# KiCad board migrane.kicad_pcb (continued)
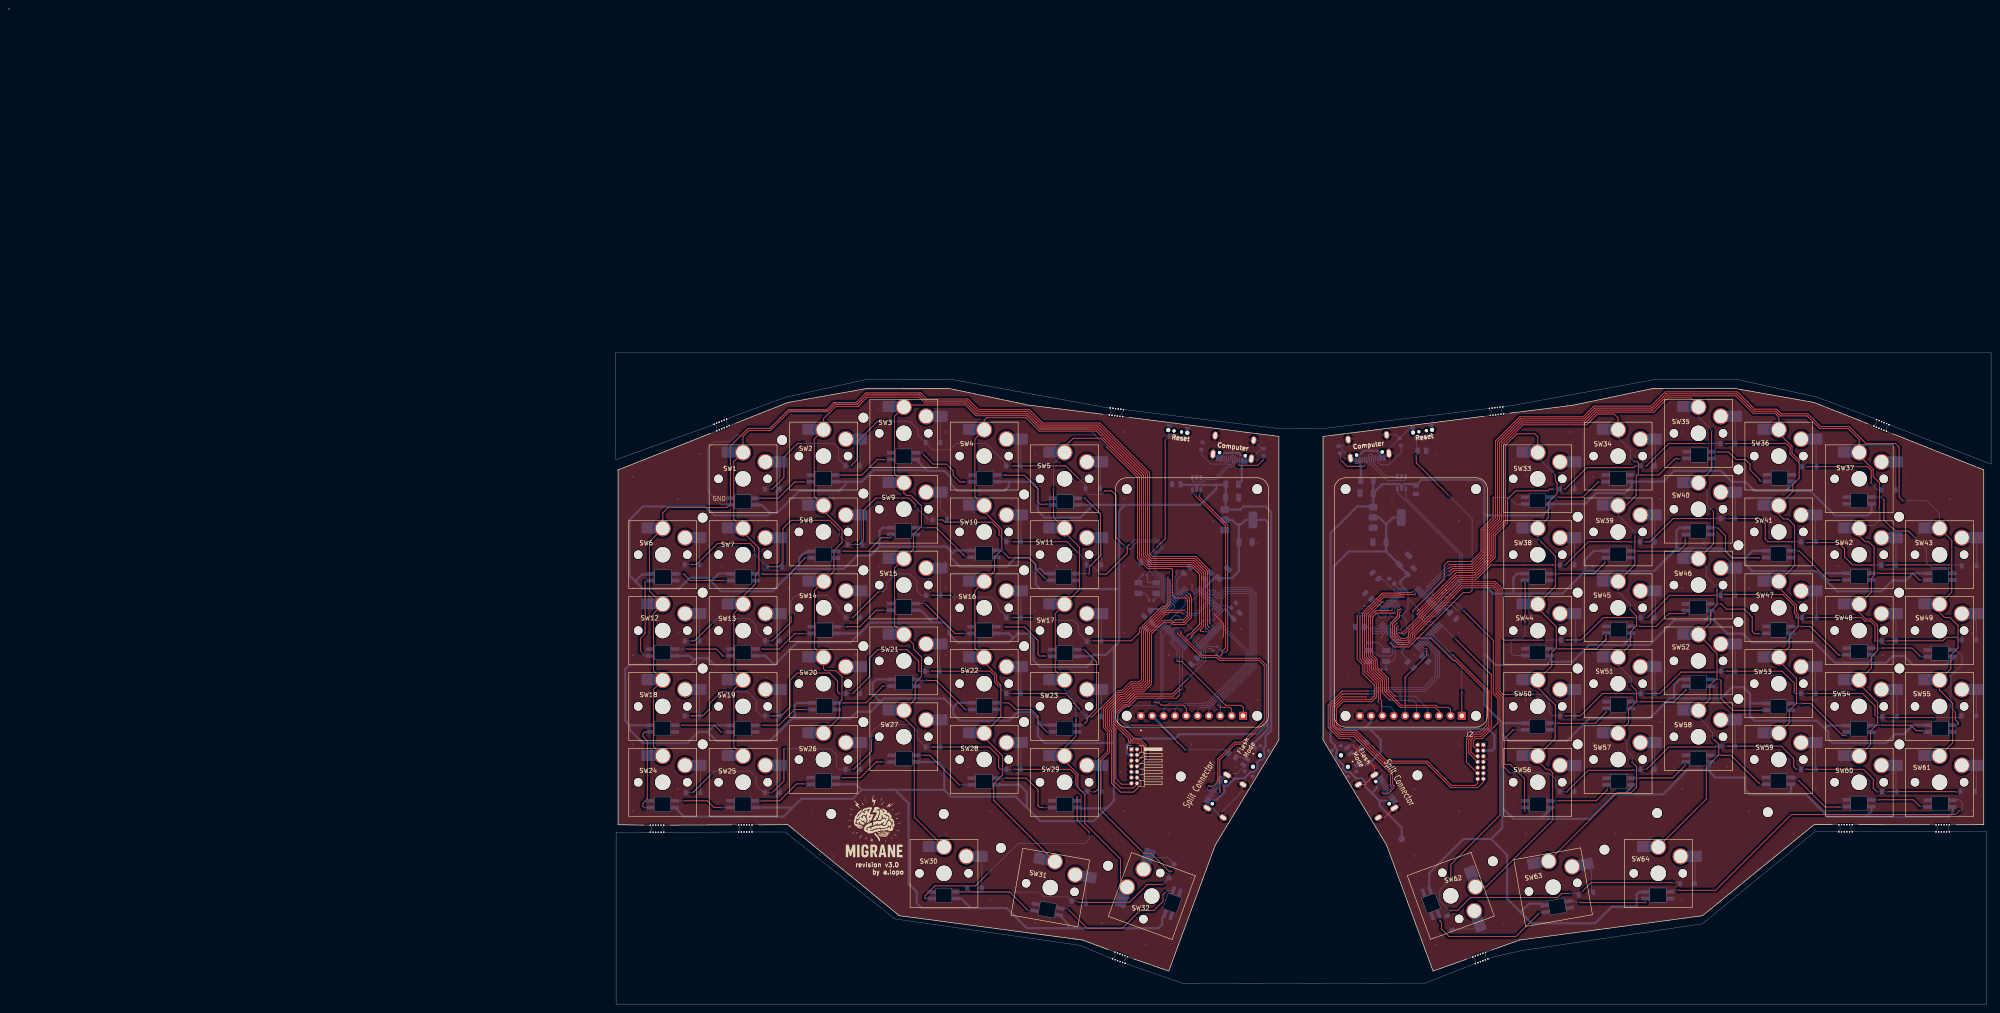
[diagram p0: board, top side]
## Library data of the parts
C1 C2 C15 C16 = -: Description: Unpolarized capacitor; LCSC: C13585; LCSC Part: C13585; ki_fp_filters: C_*
C3 C12 C17 = -: Description: Unpolarized capacitor; LCSC: C48579599; LCSC Part: C48579599; ki_fp_filters: C_*
C4-C8 C14 C19-C24 C28 = -: LCSC: C48579599; LCSC Part: C48579599; ki_fp_filters: C_*
C9 C18 = -: LCSC: C13585; LCSC Part: C13585; ki_fp_filters: C_*
C10 C11 C25 C26 = -: LCSC: C441742; LCSC Part: C441742; ki_fp_filters: C_*
C13 C27 = -: Description: Unpolarized capacitor; LCSC: C1705; LCSC Part: C1705; ki_fp_filters: C_*
D1-D27 D29 D30 D32-D64 = -: Sim.Device: D; Sim.Pins: 1=K 2=A; LCSC: C917030; LCSC Part: C917030; ki_fp_filters: TO-???* *_Diode_* *SingleDiode* D_*
D28 D31 = -: Sim.Device: D; Sim.Pins: 1=K 2=A; LCSC: C917030; LCSC Part: C917030; Stock: 158412; Price: 0.028USD; Process: SMT; Minimum Qty: 15; Attrition Qty: 4; Class: Preferred Component; Category: Circuit Protection,ESD And Surge Protection (TVS/ESD); Manufacturer: hongjiacheng; Part: SMF5.0A; ki_fp_filters: TO-???* *_Diode_* *SingleDiode* D_*
D65 D68 = -: Datasheet: https://wmsc.lcsc.com/wmsc/upload/file/pdf/v2/lcsc/2312041000_hongjiacheng-SMF5-0A_C19077497.pdf; Description: 27.4A 7.3V 200W 6.4V Unidirectional 5V SOD-123FL ESD and Surge Protection (TVS/ESD) ROHS; LCSC: C19077497; Stock: 158412; Price: 0.028USD; Process: SMT; Minimum Qty: 15; Attrition Qty: 4; Class: Preferred Component; Category: Circuit Protection,ESD And Surge Protection (TVS/ESD); Manufacturer: hongjiacheng; LCSC Part: C19077497; ki_fp_filters: D_*
J1 J2 = -: Datasheet: https://www.st.com/content/ccc/resource/technical/document/user_manual/group1/99/49/91/b6/b2/3a/46/e5/DM00526767/files/DM00526767.pdf/jcr:content/translations/en.DM00526767.pdf; Description: ST Debug Connector, standard ARM Cortex-M SWD and JTAG interface plus UART; ki_fp_filters: PinHeader?2x07?P1.27mm*
LED1-LED5 LED7 LED8 LED13-LED32 = -: Datasheet: 4960; ki_fp_filters: 4960_ADA
LED6 LED9-LED12 LED33-LED64 = -: ki_fp_filters: 4960_ADA
R1 R2 R8 R9 = -: LCSC: C2907114; LCSC Part: C2907114; ki_fp_filters: R_*
R3 = -: Description: Resistor; LCSC: C84376; LCSC Part: C84376; ki_fp_filters: R_*
R5 R12 = -: LCSC: C84376; LCSC Part: C84376; ki_fp_filters: R_*
R6 R7 R13 R14 = -: Description: Resistor; LCSC: C2906914; ki_fp_filters: R_*
SW1-SW64 = -: LCSC: C917030; LCSC Part: C917030
SW65 SW66 = -: LCSC Part: C2890358; LCSC: C2890358
U1 U6 = -: ki_fp_filters: SOT*223*
U2 U7 = -: LCSC Part: C5261088; LCSC: C5261088
U3 U8 = -: PARTREV: 2021-12-09; MANUFACTURER: Adafruit Industries; STANDARD: Manufacturer Recommendations
U4 U9 = -: Datasheet: https://www.st.com/resource/en/datasheet/stm32f446rc.pdf; Description: STMicroelectronics Arm Cortex-M4 MCU, 256KB flash, 128KB RAM, 180 MHz, 1.8-3.6V, 50 GPIO, LQFP64; LCSC: C915971; LCSC Part: C915971; ki_fp_filters: LQFP*10x10mm*P0.5mm*
U5 U10 = -: LCSC Part: C17179533
USBC1-USBC4 = -: Datasheet: https://lcsc.com/product-detail/USB-Type-C_Korean-Hroparts-Elec-TYPE-C-31-M-12_C165948.html; LCSC Part: C165948; LCSC: C165948
Y1 Y2 = -: LCSC: C1985378; LCSC Part: C1985378; ki_fp_filters: Crystal*

## Footprints (pads in the part's own frame, mm; a bottom-side part is the same pattern mirrored in y, then rotated)
C_0402_1005Metric
  rrect 0.56x0.62 smd: 1(-0.48,0) 2(0.48,0)
C_0603_1608Metric
  rrect 0.9x0.95 smd: 1(-0.775,0) 2(0.775,0)
C_0805_2012Metric
  rrect 1x1.45 smd: 1(-0.95,0) 2(0.95,0)
C_1206_3216Metric
  rrect 1.15x1.8 smd: 1(-1.475,0) 2(1.475,0)
Crystal_SMD_Abracon_ABM3B-4Pin_5.0x3.2mm
  rrect 1.8x1.2 smd: 1(-2,-1.2) 2(2,-1.2) 3(2,1.2) 4(-2,1.2)
D_SOD-123
  rrect 0.9x1.2 smd: 1(-1.65,0) 2(1.65,0)
D_SOD-123#2
  rrect 0.9x1.2 smd: 1(-1.65,0) 2(1.65,0)
D_SOD-123FL
  rrect 1.1x1.6 smd: 1(-1.4,0) 2(1.4,0)
LED-SMD_L3.2-W2.8-LS5.9_SK6812MINI-E
  rect 1.8x0.82 smd: 1(2.8,0.75) 2(2.8,-0.75) 3(-2.8,-0.75) 4(-2.8,0.75)
LED-SMD_L3.2-W2.8-LS5.9_SK6812MINI-E#2
  rect 1.8x0.82 smd: 1(2.8,0.75) 2(2.8,-0.75) 3(-2.8,-0.75) 4(-2.8,0.75)
LQFP-64_10x10mm_P0.5mm
  rrect 1.55x0.3 smd: 1(-5.675,3.75) 2(-5.675,3.25) 3(-5.675,2.75) 4(-5.675,2.25) 5(-5.675,1.75) 6(-5.675,1.25) 7(-5.675,0.75) 8(-5.675,0.25) 9(-5.675,-0.25) 10(-5.675,-0.75) 11(-5.675,-1.25) 12(-5.675,-1.75) 13(-5.675,-2.25) 14(-5.675,-2.75) 15(-5.675,-3.25) 16(-5.675,-3.75) 33(5.675,-3.75) 34(5.675,-3.25) 35(5.675,-2.75) 36(5.675,-2.25) 37(5.675,-1.75) 38(5.675,-1.25) 39(5.675,-0.75) 40(5.675,-0.25) 41(5.675,0.25) 42(5.675,0.75) 43(5.675,1.25) 44(5.675,1.75) 45(5.675,2.25) 46(5.675,2.75) 47(5.675,3.25) 48(5.675,3.75)
  rrect 0.3x1.55 smd: 17(-3.75,-5.675) 18(-3.25,-5.675) 19(-2.75,-5.675) 20(-2.25,-5.675) 21(-1.75,-5.675) 22(-1.25,-5.675) 23(-0.75,-5.675) 24(-0.25,-5.675) 25(0.25,-5.675) 26(0.75,-5.675) 27(1.25,-5.675) 28(1.75,-5.675) 29(2.25,-5.675) 30(2.75,-5.675) 31(3.25,-5.675) 32(3.75,-5.675) 49(3.75,5.675) 50(3.25,5.675) 51(2.75,5.675) 52(2.25,5.675) 53(1.75,5.675) 54(1.25,5.675) 55(0.75,5.675) 56(0.25,5.675) 57(-0.25,5.675) 58(-0.75,5.675) 59(-1.25,5.675) 60(-1.75,5.675) 61(-2.25,5.675) 62(-2.75,5.675) 63(-3.25,5.675) 64(-3.75,5.675)
LQFP-64_10x10mm_P0.5mm#2
  rrect 1.55x0.3 smd: 1(-5.675,3.75) 2(-5.675,3.25) 3(-5.675,2.75) 4(-5.675,2.25) 5(-5.675,1.75) 6(-5.675,1.25) 7(-5.675,0.75) 8(-5.675,0.25) 9(-5.675,-0.25) 10(-5.675,-0.75) 11(-5.675,-1.25) 12(-5.675,-1.75) 13(-5.675,-2.25) 14(-5.675,-2.75) 15(-5.675,-3.25) 16(-5.675,-3.75) 33(5.675,-3.75) 34(5.675,-3.25) 35(5.675,-2.75) 36(5.675,-2.25) 37(5.675,-1.75) 38(5.675,-1.25) 39(5.675,-0.75) 40(5.675,-0.25) 41(5.675,0.25) 42(5.675,0.75) 43(5.675,1.25) 44(5.675,1.75) 45(5.675,2.25) 46(5.675,2.75) 47(5.675,3.25) 48(5.675,3.75)
  rrect 0.3x1.55 smd: 17(-3.75,-5.675) 18(-3.25,-5.675) 19(-2.75,-5.675) 20(-2.25,-5.675) 21(-1.75,-5.675) 22(-1.25,-5.675) 23(-0.75,-5.675) 24(-0.25,-5.675) 25(0.25,-5.675) 26(0.75,-5.675) 27(1.25,-5.675) 28(1.75,-5.675) 29(2.25,-5.675) 30(2.75,-5.675) 31(3.25,-5.675) 32(3.75,-5.675) 49(3.75,5.675) 50(3.25,5.675) 51(2.75,5.675) 52(2.25,5.675) 53(1.75,5.675) 54(1.25,5.675) 55(0.75,5.675) 56(0.25,5.675) 57(-0.25,5.675) 58(-0.75,5.675) 59(-1.25,5.675) 60(-1.75,5.675) 61(-2.25,5.675) 62(-2.75,5.675) 63(-3.25,5.675) 64(-3.75,5.675)
MODULE_358
  round 2.2 hole 2.2 unplated: (-25.4,-14.605) (-25.4,14.605) (25.4,-14.605) (25.4,14.605)
  rect 1.778x1.778 hole 1.016: 1(-25.4,11.43)
  round 1.778 hole 1.016: 2(-25.4,8.89) 3(-25.4,6.35) 4(-25.4,3.81) 5(-25.4,1.27) 6(-25.4,-1.27) 7(-25.4,-3.81) 8(-25.4,-6.35) 9(-25.4,-8.89) 10(-25.4,-11.43)
MODULE_358#2
  round 2.2 hole 2.2 unplated: (-25.4,14.605) (-25.4,-14.605) (25.4,14.605) (25.4,-14.605)
  rect 1.778x1.778 hole 1.016: 1(-25.4,11.43)
  round 1.778 hole 1.016: 2(-25.4,8.89) 3(-25.4,6.35) 4(-25.4,3.81) 5(-25.4,1.27) 6(-25.4,-1.27) 7(-25.4,-3.81) 8(-25.4,-6.35) 9(-25.4,-8.89) 10(-25.4,-11.43)
MountingHole_2.2mm_M2
  round 2.2 hole 2.2 unplated: (0,0)
MouseBites, Cosmetic, JLCPCB, 1.6mm
  round 0.3 hole 0.38 unplated: (0,3.9) (0,3.3) (0,2.7) (0,2.1) (0,1.5) (0,4.5) (1.6,4.5) (1.6,3.9) (1.6,2.7) (1.6,1.5) (1.6,3.3) (1.6,2.1)
PinHeader_2x07_P1.27mm_Horizontal
  rect 1x1 hole 0.65: 1(7.331,-1.196)
  round 1 hole 0.65: 2(6.061,-1.196) 3(7.331,-2.466) 4(6.061,-2.466) 5(7.331,-3.736) 6(6.061,-3.736) 7(7.331,-5.006) 8(6.061,-5.006) 9(7.331,-6.276) 10(6.061,-6.276) 11(7.331,-7.546) 12(6.061,-7.546) 13(7.331,-8.816) 14(6.061,-8.816)
PinHeader_2x07_P1.27mm_Horizontal#2
  rect 1x1 hole 0.65: 1(0,0)
  round 1 hole 0.65: 2(1.27,0) 3(0,-1.27) 4(1.27,-1.27) 5(0,-2.54) 6(1.27,-2.54) 7(0,-3.81) 8(1.27,-3.81) 9(0,-5.08) 10(1.27,-5.08) 11(0,-6.35) 12(1.27,-6.35) 13(0,-7.62) 14(1.27,-7.62)
R_0402_1005Metric
  rrect 0.54x0.64 smd: 1(-0.51,0) 2(0.51,0)
R_0603_1608Metric
  rrect 0.8x0.95 smd: 1(-0.825,0) 2(0.825,0)
R_0805_2012Metric
  rrect 1.025x1.4 smd: 1(-0.912,0) 2(0.912,0)
SOT-23-6_L2.9-W1.6-P0.95-LS2.8-BR
  rect 1.1x0.6 smd: 1(1.35,-0.95) 2(1.35,0) 3(1.35,0.95) 4(-1.35,0.95) 5(-1.35,0) 6(-1.35,-0.95)
SOT-223-3_TabPin2
  rrect 2x1.5 smd: 1(-3.15,2.3) 2(-3.15,0) 3(-3.15,-2.3)
  rrect 2x3.8 smd: 2(3.15,0)
SW-SMD_GT-TC020B-H035-L05
  round 0.9 hole 0.9: (-2.15,-0.32) (2.15,-0.32)
  round 0.7 hole 0.7: (-0.85,-0.32) (0.85,-0.32)
  rect 0.7x1.2 smd: 1(-1.7,0.97) 2(1.7,0.97)
  rect 1.5x1 smd: 3(0,1.27)
  rect 1.1x0.7 smd: 4(-2.1,-1.27) 4(2.1,-1.27)
SW-SMD_MK-12C03-G015
  round 0.9 hole 0.9: (-1.5,-0.48) (1.5,-0.48)
  rect 0.9x1.4 smd: 1(-2.25,1.56) 2(0.75,1.56) 3(2.25,1.56)
  rect 0.75x0.85 smd: 4(-3.38,0.59) 5(-3.38,-1.56) 6(3.37,0.57) 7(3.38,-1.56)
SW-SMD_MK-12C03-G015#2
  round 0.9 hole 0.9: (-1.5,-0.48) (1.5,-0.48)
  rect 0.9x1.4 smd: 1(-2.25,1.56) 2(0.75,1.56) 3(2.25,1.56)
  rect 0.75x0.85 smd: 4(-3.38,0.59) 5(-3.38,-1.56) 6(3.37,0.57) 7(3.38,-1.56)
SW_Hotswap_Kailh_Choc_V1_Plated_1.00u
  round 1.9 hole 1.9 unplated: (-5.5,0) (5.5,0)
  rrect 2.55x2.5 smd: (-3.5,6) (8.5,3.8)
  round 3.45 hole 3.45 unplated: (0,0)
  rrect 3.85x2.5 smd far side: 1(-2.85,6) 2(7.85,3.8)
  round 3.6 hole 3.05: 1(0,5.9) 2(5,3.8)
SW_Hotswap_Kailh_Choc_V1_Plated_1.50u
  round 1.9 hole 1.9 unplated: (-5.5,0) (5.5,0)
  rrect 2.55x2.5 smd: (-3.5,6) (8.5,3.8)
  round 3.45 hole 3.45 unplated: (0,0)
  rrect 3.85x2.5 smd far side: 1(-2.85,6) 2(7.85,3.8)
  round 3.6 hole 3.05: 1(0,5.9) 2(5,3.8)
TestPoint_Pad_D1.5mm
  round 1.5 smd: 1(0,0)
unnamed
  round 2.2 hole 2.2 unplated: (0,0)
USB-C_SMD-TYPE-C-31-M-12_1
  round 0.75 hole 0.75: (-2.9,1.21) (2.9,1.21)
  oval 1.2x2 hole 0.8x1.6: 1(4.33,1.71) 4(-4.33,1.71)
  oval 1.2x1.8 hole 0.8x1.4: 2(4.33,-2.47) 3(-4.33,-2.47)
  custom 0.7x1.4 smd: A1B12(-3.2,2.47) A4B9(-2.4,2.47) B1A12(3.2,2.47) B4A9(2.4,2.47)
  rect 0.3x1.3 smd: A5(-1.25,2.47) A6(-0.25,2.47) A7(0.25,2.47) A8(1.25,2.47) B5(1.75,2.47) B6(0.75,2.47) B7(-0.75,2.47) B8(-1.75,2.47)
USB-C_SMD-TYPE-C-31-M-12_1#2
  round 0.75 hole 0.75: (-2.9,1.21) (2.9,1.21)
  oval 1.2x2 hole 0.8x1.6: 1(4.33,1.71) 4(-4.33,1.71)
  oval 1.2x1.8 hole 0.8x1.4: 2(4.33,-2.47) 3(-4.33,-2.47)
  custom 0.7x1.4 smd: A1B12(-3.2,2.47) A4B9(-2.4,2.47) B1A12(3.2,2.47) B4A9(2.4,2.47)
  rect 0.3x1.3 smd: A5(-1.25,2.47) A6(-0.25,2.47) A7(0.25,2.47) A8(1.25,2.47) B5(1.75,2.47) B6(0.75,2.47) B7(-0.75,2.47) B8(-1.75,2.47)
USB-C_SMD-TYPE-C-31-M-12_1#3
  round 0.75 hole 0.75: (-2.9,1.21) (2.9,1.21)
  oval 1.2x2 hole 0.8x1.6: 1(4.33,1.71) 4(-4.33,1.71)
  oval 1.2x1.8 hole 0.8x1.4: 2(4.33,-2.47) 3(-4.33,-2.47)
  custom 0.7x1.4 smd: A1B12(-3.2,2.47) A4B9(-2.4,2.47) B1A12(3.2,2.47) B4A9(2.4,2.47)
  rect 0.3x1.3 smd: A5(-1.25,2.47) A6(-0.25,2.47) A7(0.25,2.47) A8(1.25,2.47) B5(1.75,2.47) B6(0.75,2.47) B7(-0.75,2.47) B8(-1.75,2.47)

## Nets
+3.3V_{slave}: C15.1 C18.2 C19.2 C20.2 C21.2 C22.2 C23.2 C24.2 J2.3 SW66.1 U6.2 U8.9 U9.1 U9.13 U9.19 U9.32 U9.48 U9.64
+5V_{master}: C2.2 C3.1 D65.1 LED1.1 LED2.1 LED3.1 LED4.1 LED5.1 LED6.1 LED7.1 LED8.1 LED9.1 LED10.1 LED11.1 LED12.1 LED13.1 LED14.1 LED15.1 LED16.1 LED17.1 LED18.1 LED19.1 LED20.1 LED21.1 LED22.1 LED23.1 LED24.1 LED25.1 LED26.1 LED27.1 LED28.1 LED29.1 LED30.1 LED31.1 LED32.1 U1.3 U2.5 USBC2.A4B9 USBC2.B4A9
+5V_{slave}: C16.2 C17.1 D68.1 LED33.1 LED34.1 LED35.1 LED36.1 LED37.1 LED38.1 LED39.1 LED40.1 LED41.1 LED42.1 LED43.1 LED44.1 LED45.1 LED46.1 LED47.1 LED48.1 LED49.1 LED50.1 LED51.1 LED52.1 LED53.1 LED54.1 LED55.1 LED56.1 LED57.1 LED58.1 LED59.1 LED60.1 LED61.1 LED62.1 LED63.1 LED64.1 MASTER VBUS.1 U6.3 U7.5 USBC4.A4B9 USBC4.B4A9
/left/VBUS_{a}: D65.2 USBC1.A4B9 USBC1.B4A9
/right/VBUS^{b}: D68.2 USBC3.A4B9 USBC3.B4A9
GND: C1.2 C2.1 C3.2 C4.2 C5.2 C6.2 C7.2 C8.2 C9.2 C10.2 C11.2 C12.2 C13.1 C14.1 C15.2 C16.1 C17.2 C18.1 C19.1 C20.1 C21.1 C22.1 C23.1 C24.1 C25.2 C26.2 C27.1 C28.1 J1.5 J1.7 J2.5 J2.7 LED1.3 LED2.3 LED3.3 LED4.3 LED5.3 LED6.3 LED7.3 LED8.3 LED9.3 LED10.3 LED11.3 LED12.3 LED13.3 LED14.3 LED15.3 LED16.3 LED17.3 LED18.3 LED19.3 LED20.3 LED21.3 LED22.3 LED23.3 LED24.3 LED25.3 LED26.3 LED27.3 LED28.3 LED29.3 LED30.3 LED31.3 LED32.3 LED33.3 LED34.3 LED35.3 LED36.3 LED37.3 LED38.3 LED39.3 LED40.3 LED41.3 LED42.3 LED43.3 LED44.3 LED45.3 LED46.3 LED47.3 LED48.3 LED49.3 LED50.3 LED51.3 LED52.3 LED53.3 LED54.3 LED55.3 LED56.3 LED57.3 LED58.3 LED59.3 LED60.3 LED61.3 LED62.3 LED63.3 LED64.3 R1.1 R2.1 R3.2 R8.1 R9.1 SW65.3 SW66.3 U1.1 U2.2 U3.10 U4.12 U4.18 U4.31 U4.47 U4.63 U5.2 U5.3 U5.4 U6.1 U7.2 U8.10 U9.12 U9.18 U9.31 U9.47 U9.63 U10.2 U10.3 U10.4 USBC1.1 USBC1.2 USBC1.3 USBC1.4 USBC1.A1B12 USBC1.B1A12 USBC2.1 USBC2.2 USBC2.3 USBC2.4 USBC2.A1B12 USBC2.B1A12 USBC3.1 USBC3.2 USBC3.3 USBC3.4 USBC3.A1B12 USBC3.B1A12 USBC4.1 USBC4.2 USBC4.3 USBC4.4 USBC4.A1B12 USBC4.B1A12 Y1.2 Y1.4 Y2.2 Y2.4
/left/BOOT0a: R5.1 U4.60
/right/BOOT0^{b}: R12.1 U9.60
/right/SW_BOOT0^{b}: R12.2 SW66.2
COL0^{a}: SW6.1 SW12.1 SW18.1 SW24.1 U4.37
COL0^{b}: SW43.1 SW49.1 SW55.1 SW61.1 U9.37
COL1^{a}: SW1.1 SW7.1 SW13.1 SW19.1 SW25.1 U4.38
COL1^{b}: SW37.1 SW42.1 SW48.1 SW54.1 SW60.1 U9.38
COL2^{a}: SW2.1 SW8.1 SW14.1 SW20.1 SW26.1 U4.39
COL2^{b}: SW36.1 SW41.1 SW47.1 SW53.1 SW59.1 U9.39
COL3^{a}: SW3.1 SW9.1 SW15.1 SW21.1 SW27.1 SW30.1 U4.40
COL3^{b}: SW35.1 SW40.1 SW46.1 SW52.1 SW58.1 SW64.1 U9.40
COL4^{a}: SW4.1 SW10.1 SW16.1 SW22.1 SW28.1 SW31.1 U4.51
COL4^{b}: SW34.1 SW39.1 SW45.1 SW51.1 SW57.1 SW63.1 U9.51
COL5^{a}: SW5.1 SW11.1 SW17.1 SW23.1 SW29.1 SW32.1 U4.52
COL5^{b}: SW33.1 SW38.1 SW44.1 SW50.1 SW56.1 SW62.1 U9.52
CS^{a}: U3.5 U4.29
CS^{b}: U8.5 U9.29
DataCommand^{a}: U3.7 U4.33
DataCommand^{b}: U8.7 U9.33
Handedness^{a}: C1.1 C4.1 C5.1 C6.1 C7.1 C8.1 C9.1 C12.1 J1.3 SW65.1 U1.2 U3.9 U4.1 U4.13 U4.19 U4.28 U4.32 U4.48 U4.64
Handedness^{b}: R3.1 U9.28
LCDReset^{a}: U3.8 U4.34
LCDReset^{b}: U8.8 U9.34
LEDs^{a}: LED1.4 U4.61
LEDs^{b}: LED33.4 U9.61
MISO^{a}: U3.2 U4.22
MISO^{b}: U8.2 U9.22
MOSI^{a}: U3.4 U4.23
MOSI^{b}: U8.4 U9.23
OSC IN^{a}: C10.1 U4.5 Y1.3
OSC IN^{b}: C25.1 U9.5 Y2.3
OSC OUT^{a}: C11.1 U4.6 Y1.1
OSC OUT^{b}: C26.1 U9.6 Y2.1
RESET^{a}: C14.2 J1.12 U4.7 U5.1
RESET^{b}: C28.2 J2.12 U9.7 U10.1
ROW0^{a}: D1.1 D2.1 D3.1 D4.1 D5.1 U4.8
ROW0^{b}: D33.1 D34.1 D35.1 D36.1 D37.1 U9.8
ROW1^{a}: D6.1 D7.1 D8.1 D9.1 D10.1 D11.1 U4.9
ROW1^{b}: D38.1 D39.1 D40.1 D41.1 D42.1 D43.1 U9.9
ROW2^{a}: D12.1 D13.1 D14.1 D15.1 D16.1 D17.1 U4.10
ROW2^{b}: D44.1 D45.1 D46.1 D47.1 D48.1 D49.1 U9.10
ROW3^{a}: D18.1 D19.1 D20.1 D21.1 D22.1 D23.1 U4.11
ROW3^{b}: D50.1 D51.1 D52.1 D53.1 D54.1 D55.1 U9.11
ROW4^{a}: D24.1 D25.1 D26.1 D27.1 D28.1 D29.1 U4.24
ROW4^{b}: D56.1 D57.1 D58.1 D59.1 D60.1 D61.1 U9.24
ROW5^{a}: D30.1 D31.1 D32.1 U4.25
ROW5^{b}: D62.1 D63.1 D64.1 U9.25
SCK^{a}: U3.3 U4.21
SCK^{b}: U8.3 U9.21
ScreenBright^{a}: U3.1 U4.56
ScreenBright^{b}: U8.1 U9.56
SDCS^{a}: U3.6 U4.62
SDCS^{b}: U8.6 U9.62
SWCLK^{a}: J1.6 U4.49
SWCLK^{b}: J2.6 U9.49
SWDIO^{a}: J1.4 U4.46
SWDIO^{b}: J2.4 U9.46
SWO^{a}: J1.8 U4.55
SWO^{b}: J2.8 U9.55
UART_RX^{a}: J1.13 U4.15
UART_RX^{b}: J2.13 U9.15
UART_TX^{a}: J1.14 U4.14
UART_TX^{b}: J2.14 U9.14
USART_RX^{a}: U4.59 USBC2.A7 USBC2.B7
USART_RX^{b}: U9.59 USBC4.A6 USBC4.B6
USART_TX^{a}: U4.58 USBC2.A6 USBC2.B6
USART_TX^{b}: U9.58 USBC4.A7 USBC4.B7
USB^{a}D+: R7.2 U2.6
USB^{a}D-: R6.2 U2.4
USB^{b}D+: R13.2 U7.6
USB^{b}D-: R14.2 U7.4
Net-(D1-A): D1.2 SW1.2
Net-(D2-A): D2.2 SW2.2
Net-(D3-A): D3.2 SW3.2
Net-(D4-A): D4.2 SW4.2
Net-(D5-A): D5.2 SW5.2
Net-(D6-A): D6.2 SW6.2
Net-(D7-A): D7.2 SW7.2
Net-(D8-A): D8.2 SW8.2
Net-(D9-A): D9.2 SW9.2
Net-(D10-A): D10.2 SW10.2
Net-(D11-A): D11.2 SW11.2
Net-(D12-A): D12.2 SW12.2
Net-(D13-A): D13.2 SW13.2
Net-(D14-A): D14.2 SW14.2
Net-(D15-A): D15.2 SW15.2
Net-(D16-A): D16.2 SW16.2
Net-(D17-A): D17.2 SW17.2
Net-(D18-A): D18.2 SW18.2
Net-(D19-A): D19.2 SW19.2
Net-(D20-A): D20.2 SW20.2
Net-(D21-A): D21.2 SW21.2
Net-(D22-A): D22.2 SW22.2
Net-(D23-A): D23.2 SW23.2
Net-(D24-A): D24.2 SW24.2
Net-(D25-A): D25.2 SW25.2
Net-(D26-A): D26.2 SW26.2
Net-(D27-A): D27.2 SW27.2
Net-(D28-A): D28.2 SW28.2
Net-(D29-A): D29.2 SW29.2
Net-(D30-A): D30.2 SW30.2
Net-(D31-A): D31.2 SW31.2
Net-(D32-A): D32.2 SW32.2
Net-(D33-A): D33.2 SW33.2
Net-(D34-A): D34.2 SW34.2
Net-(D35-A): D35.2 SW35.2
Net-(D36-A): D36.2 SW36.2
Net-(D37-A): D37.2 SW37.2
Net-(D38-A): D38.2 SW38.2
Net-(D39-A): D39.2 SW39.2
Net-(D40-A): D40.2 SW40.2
Net-(D41-A): D41.2 SW41.2
Net-(D42-A): D42.2 SW42.2
Net-(D43-A): D43.2 SW43.2
Net-(D44-A): D44.2 SW44.2
Net-(D45-A): D45.2 SW45.2
Net-(D46-A): D46.2 SW46.2
Net-(D47-A): D47.2 SW47.2
Net-(D48-A): D48.2 SW48.2
Net-(D49-A): D49.2 SW49.2
Net-(D50-A): D50.2 SW50.2
Net-(D51-A): D51.2 SW51.2
Net-(D52-A): D52.2 SW52.2
Net-(D53-A): D53.2 SW53.2
Net-(D54-A): D54.2 SW54.2
Net-(D55-A): D55.2 SW55.2
Net-(D56-A): D56.2 SW56.2
Net-(D57-A): D57.2 SW57.2
Net-(D58-A): D58.2 SW58.2
Net-(D59-A): D59.2 SW59.2
Net-(D60-A): D60.2 SW60.2
Net-(D61-A): D61.2 SW61.2
Net-(D62-A): D62.2 SW62.2
Net-(D63-A): D63.2 SW63.2
Net-(D64-A): D64.2 SW64.2
Net-(LED1-DOUT): LED1.2 LED2.4
Net-(LED2-DOUT): LED2.2 LED3.4
Net-(LED3-DOUT): LED3.2 LED4.4
Net-(LED4-DOUT): LED4.2 LED5.4
Net-(LED5-DOUT): LED5.2 LED6.4
Net-(LED7-DIN): LED7.4 LED8.2
Net-(LED8-DIN): LED8.4 LED9.2
Net-(LED10-DIN): LED10.4 LED11.2
Net-(LED10-DOUT): LED9.4 LED10.2
Net-(LED11-DIN): LED11.4 LED12.2
Net-(LED12-DIN): LED6.2 LED12.4
Net-(LED13-DIN): LED7.2 LED13.4
Net-(LED13-DOUT): LED13.2 LED14.4
Net-(LED14-DOUT): LED14.2 LED15.4
Net-(LED15-DOUT): LED15.2 LED16.4
Net-(LED16-DOUT): LED16.2 LED17.4
Net-(LED17-DOUT): LED17.2 LED18.4
Net-(LED18-DOUT): LED18.2 LED24.4
Net-(LED19-DIN): LED19.4 LED20.2
Net-(LED19-DOUT): LED19.2 LED25.4
Net-(LED20-DIN): LED20.4 LED21.2
Net-(LED21-DIN): LED21.4 LED22.2
Net-(LED22-DIN): LED22.4 LED23.2
Net-(LED23-DIN): LED23.4 LED24.2
Net-(LED25-DOUT): LED25.2 LED26.4
Net-(LED26-DOUT): LED26.2 LED27.4
Net-(LED27-DOUT): LED27.2 LED28.4
Net-(LED28-DOUT): LED28.2 LED29.4
Net-(LED29-DOUT): LED29.2 LED30.4
Net-(LED30-DOUT): LED30.2 LED32.4
Net-(LED31-DIN): LED31.4 LED32.2
Net-(LED33-DOUT): LED33.2 LED34.4
Net-(LED34-DOUT): LED34.2 LED35.4
Net-(LED35-DOUT): LED35.2 LED36.4
Net-(LED36-DOUT): LED36.2 LED37.4
Net-(LED37-DOUT): LED37.2 LED38.4
Net-(LED38-DOUT): LED38.2 LED44.4
Net-(LED39-DIN): LED39.4 LED40.2
Net-(LED39-DOUT): LED39.2 LED45.4
Net-(LED40-DIN): LED40.4 LED41.2
Net-(LED41-DIN): LED41.4 LED42.2
Net-(LED42-DIN): LED42.4 LED43.2
Net-(LED43-DIN): LED43.4 LED44.2
Net-(LED45-DOUT): LED45.2 LED46.4
Net-(LED46-DOUT): LED46.2 LED47.4
Net-(LED47-DOUT): LED47.2 LED48.4
Net-(LED48-DOUT): LED48.2 LED49.4
Net-(LED49-DOUT): LED49.2 LED50.4
Net-(LED50-DOUT): LED50.2 LED56.4
Net-(LED51-DIN): LED51.4 LED52.2
Net-(LED51-DOUT): LED51.2 LED57.4
Net-(LED52-DIN): LED52.4 LED53.2
Net-(LED53-DIN): LED53.4 LED54.2
Net-(LED54-DIN): LED54.4 LED55.2
Net-(LED55-DIN): LED55.4 LED56.2
Net-(LED57-DOUT): LED57.2 LED58.4
Net-(LED58-DOUT): LED58.2 LED59.4
Net-(LED59-DOUT): LED59.2 LED60.4
Net-(LED60-DOUT): LED60.2 LED61.4
Net-(LED61-DOUT): LED61.2 LED62.4
Net-(LED62-DOUT): LED62.2 LED64.4
Net-(LED63-DIN): LED63.4 LED64.2
Net-(R5-Pad2): R5.2 SW65.2
Net-(U4-PA11): R6.1 U4.44
Net-(U4-PA12): R7.1 U4.45
Net-(U4-VCAP_1): C13.2 U4.30
Net-(U9-PA11): R13.1 U9.44
Net-(U9-PA12): R14.1 U9.45
Net-(U9-VCAP_1): C27.2 U9.30
Net-(USBC1-CC1): R2.2 USBC1.A5
Net-(USBC1-CC2): R1.2 USBC1.B5
Net-(USBC1-DN1): U2.3 USBC1.A7 USBC1.B7
Net-(USBC1-DP1): U2.1 USBC1.A6 USBC1.B6
Net-(USBC3-CC1): R9.2 USBC3.A5
Net-(USBC3-CC2): R8.2 USBC3.B5
Net-(USBC3-DN1): U7.3 USBC3.A7 USBC3.B7
Net-(USBC3-DP1): U7.1 USBC3.A6 USBC3.B6

Pads without a net: J1 1 2 9 10 11; J2 1 2 9 10 11; LED31 2; LED63 2; SW65 4 5 6 7; SW66 4 5 6 7; U4 2 3 4 16 17 20 26 27 35 36 41 42 43 50 53 54 57; U9 2 3 4 16 17 20 26 27 35 36 41 42 43 50 53 54 57; USBC1 A8 B8; USBC2 A5 A8 B5 B8; USBC3 A8 B8; USBC4 A5 A8 B5 B8

## Via types
v1: diameter 0.4, hole 0.3, Top to Bottom, 474 vias
v2: diameter 0.25, hole 0.15, Top to Bottom, 1 via

## Routing (per net, layer and track width the routed paths; a pad name or vN(x,y) marks a point on that pad's centre or on a via; arc(x,y) is an arc through that point)
+3.3V_{slave}: length 187.4
  Bottom w0.2: 172.51,84.07 171.64,83.19 171.45,83 169.98,83 169.93,83.05 169.93,83.05 168.66,84.31 168.66,84.32 168.48,84.5 C23.2 ; 176.6,93.28 175.83,94.12 ; 176.72,93.17 177.5,92.42 177.5,90.88 ; 176.8,79.83 176.09,79.14 176.09,78.52 177.44,77.17 ; 179.49,79.83 180.26,79.07 180.26,79.07 180.96,78.37 ; 185.6,88.65 183.78,86.88 181.5,86.88 177.5,90.88 ; 176.11,87 175.11,87 174.81,86.7 ; 176.11,87 177.11,88 177.5,88.38 177.5,90.88 ; 176.11,87 177.11,86 177.11,84.5 177.65,83.96 177.65,81.47 178.63,80.48 178.83,80.48 U9.64 ; 176.76,79.84 177.65,80.73 177.65,83.04 ; 174.81,86.7 174.61,86.5 174.61,86.18 U9.13 ; 174.81,86.7 174.01,86.7 172.88,87.82 172.88,87.83 172.15,88.58 171.28,89.43 170.53,89.43 169.29,90.67
  Bottom w0.5: 166.04,53.63 168.49,53.63 171.36,56.5 171.36,59.25 169.01,61.6 ; 172.61,107.5 174.17,109.06 U6.2 ; 172.61,107.5 172.61,101.41 ; 172.61,107.5 171.05,109.06 U6.2 ; 169.01,61.6 161.51,61.6 160.91,62.2 160.91,98.1 164.23,101.41 172.61,101.41 ; 169.01,61.6 169.02,61.6 195.52,61.6 196.86,60.25 196.86,57.34 196.34,56.81 J2.3 ; 172.61,101.41 C18.2 ; 185.6,88.65 185.96,88.65 C22.2 ; 175.57,98.2 C20.2 176.11,95 176.11,95 175.79,94.68 175.79,94.16 175.83,94.12 ; 167.61,61.6 169.24,63.23 U8.9
+5V_{master}: length 1086.5
  Bottom w0.2: 133.14,45.72 134.02,45.69 ; 135.34,50.08 136.25,48.98
  Bottom w0.5: 94.61,63.5 94.61,64 93.11,65.5 90.11,65.5 88.11,63.5 77.11,63.5 75.61,65 75.61,66.5 ; 94.61,63.5 95.59,62.52 LED18.1 ; 94.61,63.5 94.61,60 96.11,58.5 111.61,58.5 ; 107.61,111.85 130.96,111.85 134.61,115.5 134.61,116.35 ; 107.61,111.85 LED5.1 ; 107.61,111.85 106.96,111.85 104.11,109 96.11,109 94.61,110.5 94.61,115.5 93.06,117.05 88.11,117.05 ; 110.11,44 109.96,43.85 103.51,43.85 ; 110.11,44 111.61,45.5 111.61,58.5 ; 110.11,44 107.11,41 95.11,41 92.11,44 ; 25.62,62.46 22.07,62.46 20.61,61 ; 35.61,76 22.11,76 20.61,77.5 18.11,77.5 17.61,77 ; 35.61,76 40.61,81 52.61,81 54.66,83.05 ; 35.61,76 33.54,78.07 LED13.1 ; 75.61,66.5 73.61,68.5 60.11,68.5 59.36,67.75 ; 75.61,66.5 76.64,67.52 79.89,67.52 ; 4.39,94.78 3.11,96.05 3.11,108.5 6.11,111.5 20.11,111.5 22.11,109.5 34.11,109.5 34.61,110 ; 4.39,94.78 6.1,93.07 14.19,93.07 16.61,95.5 20.61,95.5 21.36,94.75 ; 4.39,94.78 5.86,96.25 7.81,96.25 ; 112.81,93 95.11,93 94.11,94 94.11,97.5 ; 112.81,93 112.81,110.54 114.11,111.85 ; 112.81,93 112.81,81.19 111.61,80 ; 59.11,102.5 74.11,102.5 75.11,101.5 75.11,100 77.11,98 87.61,98 89.61,100 92.61,100 94.11,98.5 94.11,97.5 ; 59.11,102.5 57.11,100.5 54.11,100.5 51.11,97.5 41.11,97.5 ; 59.11,102.5 59.11,106 59.86,106.75 LED11.1 ; LED22.1 40.62,67.5 40.11,67 40.11,64.5 40.61,64 41.11,64 ; 92.11,44 92.11,47.5 90.48,49.14 85.23,49.14 ; 92.11,44 89.61,46.5 75.11,46.5 73.61,48 ; 34.61,110 36.11,110 41.11,115 50.11,115 51.61,116.5 51.61,117.05 ; 34.61,110 32.76,111.85 LED1.1 ; 51.61,117.05 LED2.1 ; 51.61,117.05 55.16,117.05 57.74,119.62 69.74,119.62 ; 130.46,116.35 126.71,116.35 ; 130.46,116.35 134.61,116.35 ; 130.46,116.35 130.11,116 130.16,115.95 U2.5 ; LED15.1 68.36,88.25 71.11,85.5 ; 94.11,97.5 95.11,97.5 96.16,96.46 LED6.1 ; 3.13,62.49 LED20.1 ; 3.13,62.49 3.13,61.49 6.11,58.5 16.11,58.5 18.61,61 20.61,61 ; 3.13,62.49 2.16,63.45 2.16,75.05 3.11,76 16.61,76 17.61,77 ; 41.11,64 39.61,64 34.61,59 22.61,59 20.61,61 ; 41.11,64 52.61,64 54.11,65.5 57.11,65.5 59.36,67.75 ; 69.74,119.62 69.86,119.5 73.61,119.5 75.11,118 75.11,116.5 76.61,115 87.11,115 88.11,116 88.11,117.05 ; 69.74,119.62 LED3.1 ; 25.81,96.5 23.11,96.5 21.36,94.75 ; 79.61,21.5 77.46,23.65 LED30.1 ; 79.61,21.5 87.61,21.5 92.11,17 121.61,17 122.41,17.79 122.41,19.16 122.61,19.37 122.61,19.57 123.05,20.01 ; 79.61,21.5 68.61,21.5 67.46,22.65 67.46,25.15 65.61,27 65.61,45 62.61,48 60.11,48 ; 39.36,43.75 41.61,46 53.14,46 55.14,48 ; 39.36,43.75 37.61,42 15.36,42 LED19.1 ; 39.36,43.75 39.06,44.05 LED25.1 ; 73.61,48 73.61,53 72.36,54.25 67.51,54.25 ; 73.61,48 60.11,48 ; 71.11,85.5 73.61,85.5 74.61,84.5 74.61,83 76.61,81 88.11,81 89.11,82 ; 71.11,85.5 57.11,85.5 54.66,83.05 ; 54.66,83.05 LED14.1 ; 55.14,48 53.89,49.25 LED26.1 ; 55.14,48 60.11,48 ; 88.11,117.05 LED4.1 ; LED16.1 88.06,83.05 89.11,82 ; 59.36,67.75 57.61,69.5 57.61,72 58.36,72.75 61.71,72.75 ; U1.3 139.91,110.8 140.61,111.5 145.61,111.5 146.86,110.25 146.86,61.29 145.61,60.04 145.61,57.75 145.22,57.35 145.22,56.22 145.31,56.12 145.31,55.34 144.76,54.78 144.39,54.78 143.73,54.11 143.73,52.78 143.01,52.06 142.32,52.06 140.8,50.54 138.65,50.54 137.11,49 136.11,49 136.36,48.74 136.36,47.51 134.54,45.69 134.02,45.69 ; 41.11,97.5 41.11,99.95 42.41,101.25 43.81,101.25 ; 41.11,97.5 40.11,97.5 35.11,92.5 23.61,92.5 21.36,94.75 ; 134.61,116.35 136.36,116.35 136.71,116 136.71,112.55 ; 107.11,78.25 109.86,78.25 111.61,80 ; 107.11,78.25 106.8,77.93 103.43,77.93 ; 107.11,78.25 106.77,77.91 106.77,76.73 105.55,75.5 95.11,75.5 93.61,77 93.61,81.76 92.37,83 90.11,83 89.11,82 ; 111.61,80 111.61,58.5 ; 17.61,77 16.56,78.05 LED7.1 ; 136.96,111 136.64,111.33 C2.2 ; 101.47,17 101.47,17.85 LED32.1 ; LED12.1 76.11,101.65 75.11,100.65
+5V_{slave}: length 925.2
  Bottom w0.2: 171.11,49.75 170.36,48.67 ; 173.61,45.75 172.83,45.56 ; 176.06,116.05 U7.5
  Bottom w0.5: 244.61,119.5 247.61,119.5 250.11,117 253.11,117 255.11,115 262.11,115 ; 244.61,119.5 245.51,120.4 LED35.1 ; 244.61,119.5 237.11,119.5 234.68,117.07 LED34.1 227.61,116.83 227.61,116 226.11,114.5 219.61,114.5 217.18,112.07 LED33.1 209.31,111.16 207.65,109.5 195.11,109.5 194.61,110 ; 209.33,76.72 208.61,76 197.11,76 194.61,78.5 ; 209.33,76.72 214.33,76.72 218.11,80.5 225.75,80.5 ; 209.33,76.72 LED39.1 ; 244.04,86 244.08,86.04 246.08,86.04 249.11,83 252.49,83 254.49,81 262.11,81 ; 244.04,86 237.11,86 231.61,80.5 225.75,80.5 ; 244.04,86 245.3,87.26 LED46.1 ; 169.73,111.67 C16.2 171.73,116.5 175.61,116.5 176.06,116.05 176.51,116.5 178.66,116.5 179.16,116 ; 194.61,110 194.61,94 ; 194.61,110 194.61,116.5 193.61,117.5 180.53,117.5 C17.1 ; 194.61,94 196.61,92 201.11,92 ; 194.61,94 194.61,78.5 ; LED47.1 263.32,82.21 262.11,81 ; 254.11,67.5 254.25,67.36 LED55.1 ; 254.11,67.5 254.11,64.5 255.11,63.5 269.11,63.5 270.86,61.75 ; 254.11,67.5 254.11,69.5 252.61,71 250.11,71 247.61,68.5 237.11,68.5 ; LED48.1 281.31,77.36 280.45,76.5 ; 237.11,68.5 237.11,71.55 238.31,72.75 LED54.1 ; 237.11,68.5 236.11,68.5 231.61,64 218.11,64 213.11,59 200.11,59 198.61,60.5 ; 244.48,52.63 246.34,50.77 253.11,50.77 253.11,48 254.11,47 262.61,47 ; 244.48,52.63 245.31,53.46 LED58.1 245.31,53.76 ; 244.48,52.63 244.36,52.5 240.11,52.5 234.61,47 225.97,47 ; 198.61,60.5 198.61,44 ; 198.61,60.5 198.61,62.9 198.66,62.95 ; 262.11,115 263.51,116.4 263.51,117.27 ; 262.11,115 267.61,115 273.11,109.5 280.61,109.5 281.32,110.2 LED37.1 ; 169.39,47.28 170.53,48.41 170.53,48.73 ; 169.39,47.28 167.91,48.75 167.91,49.77 167.15,50.54 165.96,50.54 164.44,52.06 163.72,52.06 163.03,52.74 163.03,53.5 161.44,55.09 161.44,56.19 161.61,56.36 161.61,57.07 161.17,57.52 161.17,57.95 160.16,58.95 160.16,105.55 166.11,111.5 169.61,111.5 ; 169.39,47.28 170.89,45.78 ; 270.86,61.75 271.52,62.41 LED56.1 ; 270.86,61.75 271.61,61 271.61,59.5 272.61,58.5 284.61,58.5 286.61,60.5 288.61,60.5 290.6,62.48 LED50.1 ; 225.97,47 227.51,48.54 227.51,49.13 ; 225.97,47 223.61,47 218.11,41.5 207.27,41.5 ; 170.89,45.78 171.11,45.56 172.7,45.56 ; 170.89,45.78 171.15,45.51 171.15,44.46 176.11,39.5 MASTER VBUS.1 ; 270.36,95.75 271.16,96.55 LED44.1 ; 270.36,95.75 273.61,92.5 283.61,92.5 286.03,94.91 289,94.91 290.62,96.53 LED38.1 ; 270.36,95.75 269.11,97 254.61,97 253.11,98.5 253.11,100 ; 202.71,20.6 205.21,18.1 219.42,18.1 223.11,21.8 228.71,21.8 228.71,24.55 229.29,25.13 LED62.1 ; 202.71,20.6 199.71,23.6 199.71,33.4 196.11,37 ; 202.71,20.6 204.61,22.5 207.52,22.5 207.94,22.08 ; 237.61,102.05 237.61,106.05 238.31,106.75 LED42.1 ; 237.61,102.05 237.56,102.11 238.21,102.11 238.21,102.1 248.01,102.1 250.11,100 253.11,100 ; 237.61,102.05 237.61,102 232.61,97 217.11,97 ; 194.61,78.5 194.61,67 198.66,62.95 ; 280.11,42 281.31,43.2 LED60.1 ; 280.11,42 298.61,42 299.51,42.9 299.51,44.27 ; 280.11,42 271.61,42 266.61,47 262.61,47 ; 198.61,44 198.61,39.5 196.11,37 ; 198.61,44 201.11,41.5 207.27,41.5 ; 198.66,62.95 LED52.1 ; 196.11,37 189.91,37 182.26,29.34 182.26,25.64 ; 262.61,47 263.31,47.7 LED59.1 ; 280.45,76.5 284.61,76.5 286.11,78 288.61,78 290.61,76 298.11,76 299.5,77.39 LED49.1 ; 280.45,76.5 273.11,76.5 268.61,81 262.11,81 ; 217.11,97 212.11,92 201.11,92 ; 217.11,97 217.11,99.5 219.15,101.53 LED41.1 ; LED45.1 227.49,82.24 225.75,80.5 ; 253.11,100 254.68,101.57 LED43.1 ; 201.11,92 201.11,95.57 201.99,96.45 LED40.1 ; 209.31,43.95 209.31,43.54 207.27,41.5 ; D68.1 169.72,114.64
/left/VBUS_{a}: length 10.5
  Bottom w0.2: 135.61,122.61 136.36,123.5 ; 140.36,122.25 140.11,123
  Bottom w0.5: 140.11,123 139.61,123.5 136.36,123.5 ; 140.26,120.82 140.26,117.25 D65.2
/right/VBUS^{b}: length 10
  Bottom w0.3: 166.51,122.39 166.86,123.25
  Bottom w0.4: 171.38,123.01 170.79,123.99
  Bottom w0.5: 166.67,121.49 166.95,120.04 166.95,117.83 ; 170.79,123.99 167.6,123.99 166.86,123.25
GND: length 141.3
  Top w0.2: USBC4.3 172.3,41.78 USBC4.4 ; v1(135.73,81.94) 136.16,82.37 136.16,85.31 v1(133.91,87.55) ; USBC4.2 167.84,49.2 USBC4.1 169.99,53.12 v1(165.11,58) ; J1.5 J1.7
  Bottom w0.2: 122.57,84.56 121.74,83.75 119.18,83.75 ; 126.61,91.5 125.5,92.55 125.3,92.76 125.3,95.82 125.63,96.16 v1(125.63,97) ; 130.73,92.73 129.98,92 129.68,92 129.11,92.56 v1(129.11,94) ; 135.39,88.18 134.44,87.29 134.18,87.29 v1(133.91,87.55) ; 171.81,88.19 172.49,87.52 172.49,86.88 172.24,86.62 171.34,86.62 168.78,89.18 167.65,89.18 v1(167.64,89.19) ; 172.85,83.76 171.85,82.71 171.79,82.64 171.79,82.29 v1(171.46,81.97) ; 180.14,79.87 180.97,79.11 181.29,79.11 182.03,78.38 C21.1 ; 184.41,88.25 185.64,89.39 187.31,89.39 v1(188.44,88.26) ; 134.71,122.36 USBC1.4 ; 203.86,45.8 204.01,45.95 ; R8.1 178.23,129.4 178.68,129.4 ; R8.1 174.9,127.56 USBC3.2 ; R8.1 173.22,124.39 USBC3.1 172.33,122.51 ; 239.98,90 240.01,89.97 ; 136.2,50.78 136.78,51.36 ; USBC1.2 144.69,124.57 145.11,124.57 144.79,124.57 USBC1.1 141.8,121.58 USBC1.B1A12 ; C6.2 130.41,76.16 131.72,77.47 131.72,79.29 130.06,80.94 130.06,81.45 v1(130.61,82) ; C26.2 170.81,81 Y2.2 ; C25.2 169.61,75 168.61,76 Y2.4 ; R9.1 162.68,125.06 ; 162.68,125.06 162.68,124.3 USBC3.4 165.24,121.73 USBC3.A1B12 ; 162.68,125.06 USBC3.3 ; 137.28,51.65 139.15,51.65 140.65,53.15 ; 239.98,56.2 240.01,56.17 ; 133.95,123.25 USBC1.A1B12 ; USBC4.B1A12 170.57,50.78 USBC4.1 ; 294.04,79.6 294.21,79.77 ; v1(165.11,58) 164.21,58 163.66,57.45 ; 132.25,45.29 132.25,44 ; 132.32,43.93 133.75,43.93 135.9,41.78 135.9,43.19 v1(139.91,47.2) 140.36,47.65 140.36,49.25 ; USBC4.A1B12 174.52,44 ; Y1.2 119.31,94.43 119.18,94.57 ; 131.51,126.06 131.51,125.56 ; 257.98,85 258.01,84.97
  Bottom w0.25: 119.35,90.43 119.35,91.16 118.48,92.03 Y1.4 ; 119.18,94.57 119.18,95.93 119.08,96.03
  Bottom w0.5: 49.41,99.75 50.01,99.75 50.07,99.7
  vias: v1(3.91,118.2) v1(3.91,93.2) v1(3.91,78.2) v1(3.91,58.2) v1(3.91,43.2) v1(8.91,103.2) v1(13.91,113.2) v1(13.91,83.2) v1(13.91,68.2) v1(13.91,48.2) v1(18.91,123.2) v1(23.91,98.2) v1(23.91,53.2) v1(33.91,108.2) v1(33.91,73.2) v1(38.91,128.2) v1(38.91,93.2) v1(38.91,58.2) v1(43.91,103.2) v1(43.91,43.2) v1(48.91,113.2) v1(48.91,33.2) v1(53.91,78.2) v1(58.91,133.2) v1(58.91,118.2) v1(58.91,98.2) v1(58.91,58.2) v1(58.91,43.2) v1(63.91,33.2) v1(73.91,128.2) v1(73.91,93.2) v1(73.91,78.2) v1(73.91,38.2) v1(78.91,103.2) v1(78.91,53.2) v1(83.91,43.2) v1(83.91,23.2) v1(88.91,113.2) v1(88.91,78.2) v1(93.91,123.2) v1(93.91,88.2) v1(93.91,58.2) v1(93.91,38.2) v1(93.91,18.2) v1(98.91,98.2) v1(103.91,108.2) v1(103.91,73.2) v1(103.91,33.2) v1(108.91,18.2) v1(113.11,52) v1(113.61,59.5) v1(113.91,128.2) v1(113.91,113.2) v1(113.91,98.2) v1(113.91,83.2) v1(113.91,43.2) v1(118.91,53.2) v1(118.91,13.2) v1(123.91,103.2) v1(123.91,78.2) v1(123.91,38.2) v1(128.91,58.2) v1(128.91,28.2) v1(133.91,108.2) v1(133.91,73.2) v1(138.91,118.2) v1(138.91,53.2) v1(140.11,84) v1(143.91,103.2) v1(143.91,68.2) v1(163.91,118.2) v1(163.91,103.2) v1(163.91,88.2) v1(163.91,73.2) v1(168.91,43.2) v1(173.91,113.2) v1(173.91,58.2) v1(178.91,103.2) v1(178.91,78.2) v1(178.91,48.2) v1(178.91,33.2) v1(183.91,123.2) v1(183.91,68.2) v1(183.91,13.2) v1(188.91,108.2) v1(188.91,83.2) v1(188.91,58.2) v1(188.91,43.2) v1(188.91,28.2) v1(198.91,103.2) v1(198.91,18.2) v1(201.11,44.5) v1(203.91,118.2) v1(203.91,68.2) v1(203.91,53.2) v1(203.91,38.2) v1(213.91,128.2) v1(213.91,83.2) v1(213.91,43.2) v1(218.91,118.2) v1(218.91,98.2) v1(218.91,58.2) v1(223.91,38.2) v1(228.91,78.2) v1(233.91,113.2) v1(233.91,63.2) v1(238.91,128.2) v1(238.91,93.2) v1(238.91,48.2) v1(238.91,23.2) v1(243.91,103.2) v1(243.91,38.2) v1(248.91,73.2) v1(248.91,53.2) v1(253.91,128.2) v1(253.91,113.2) v1(253.91,93.2) v1(253.91,43.2) v1(263.91,78.2) v1(263.91,38.2) v1(268.91,118.2) v1(268.91,68.2) v1(268.91,48.2) v1(273.91,98.2) v1(283.91,78.2) v1(288.91,118.2) v1(288.91,68.2) v1(293.91,93.2) v1(293.91,58.2) v1(298.91,113.2) v1(303.91,83.2) v1(303.91,68.2) v1(303.91,43.2)
